# EAGLE board Mk4 Final Panel (EAGLE 9.0.1), part 3 of 18
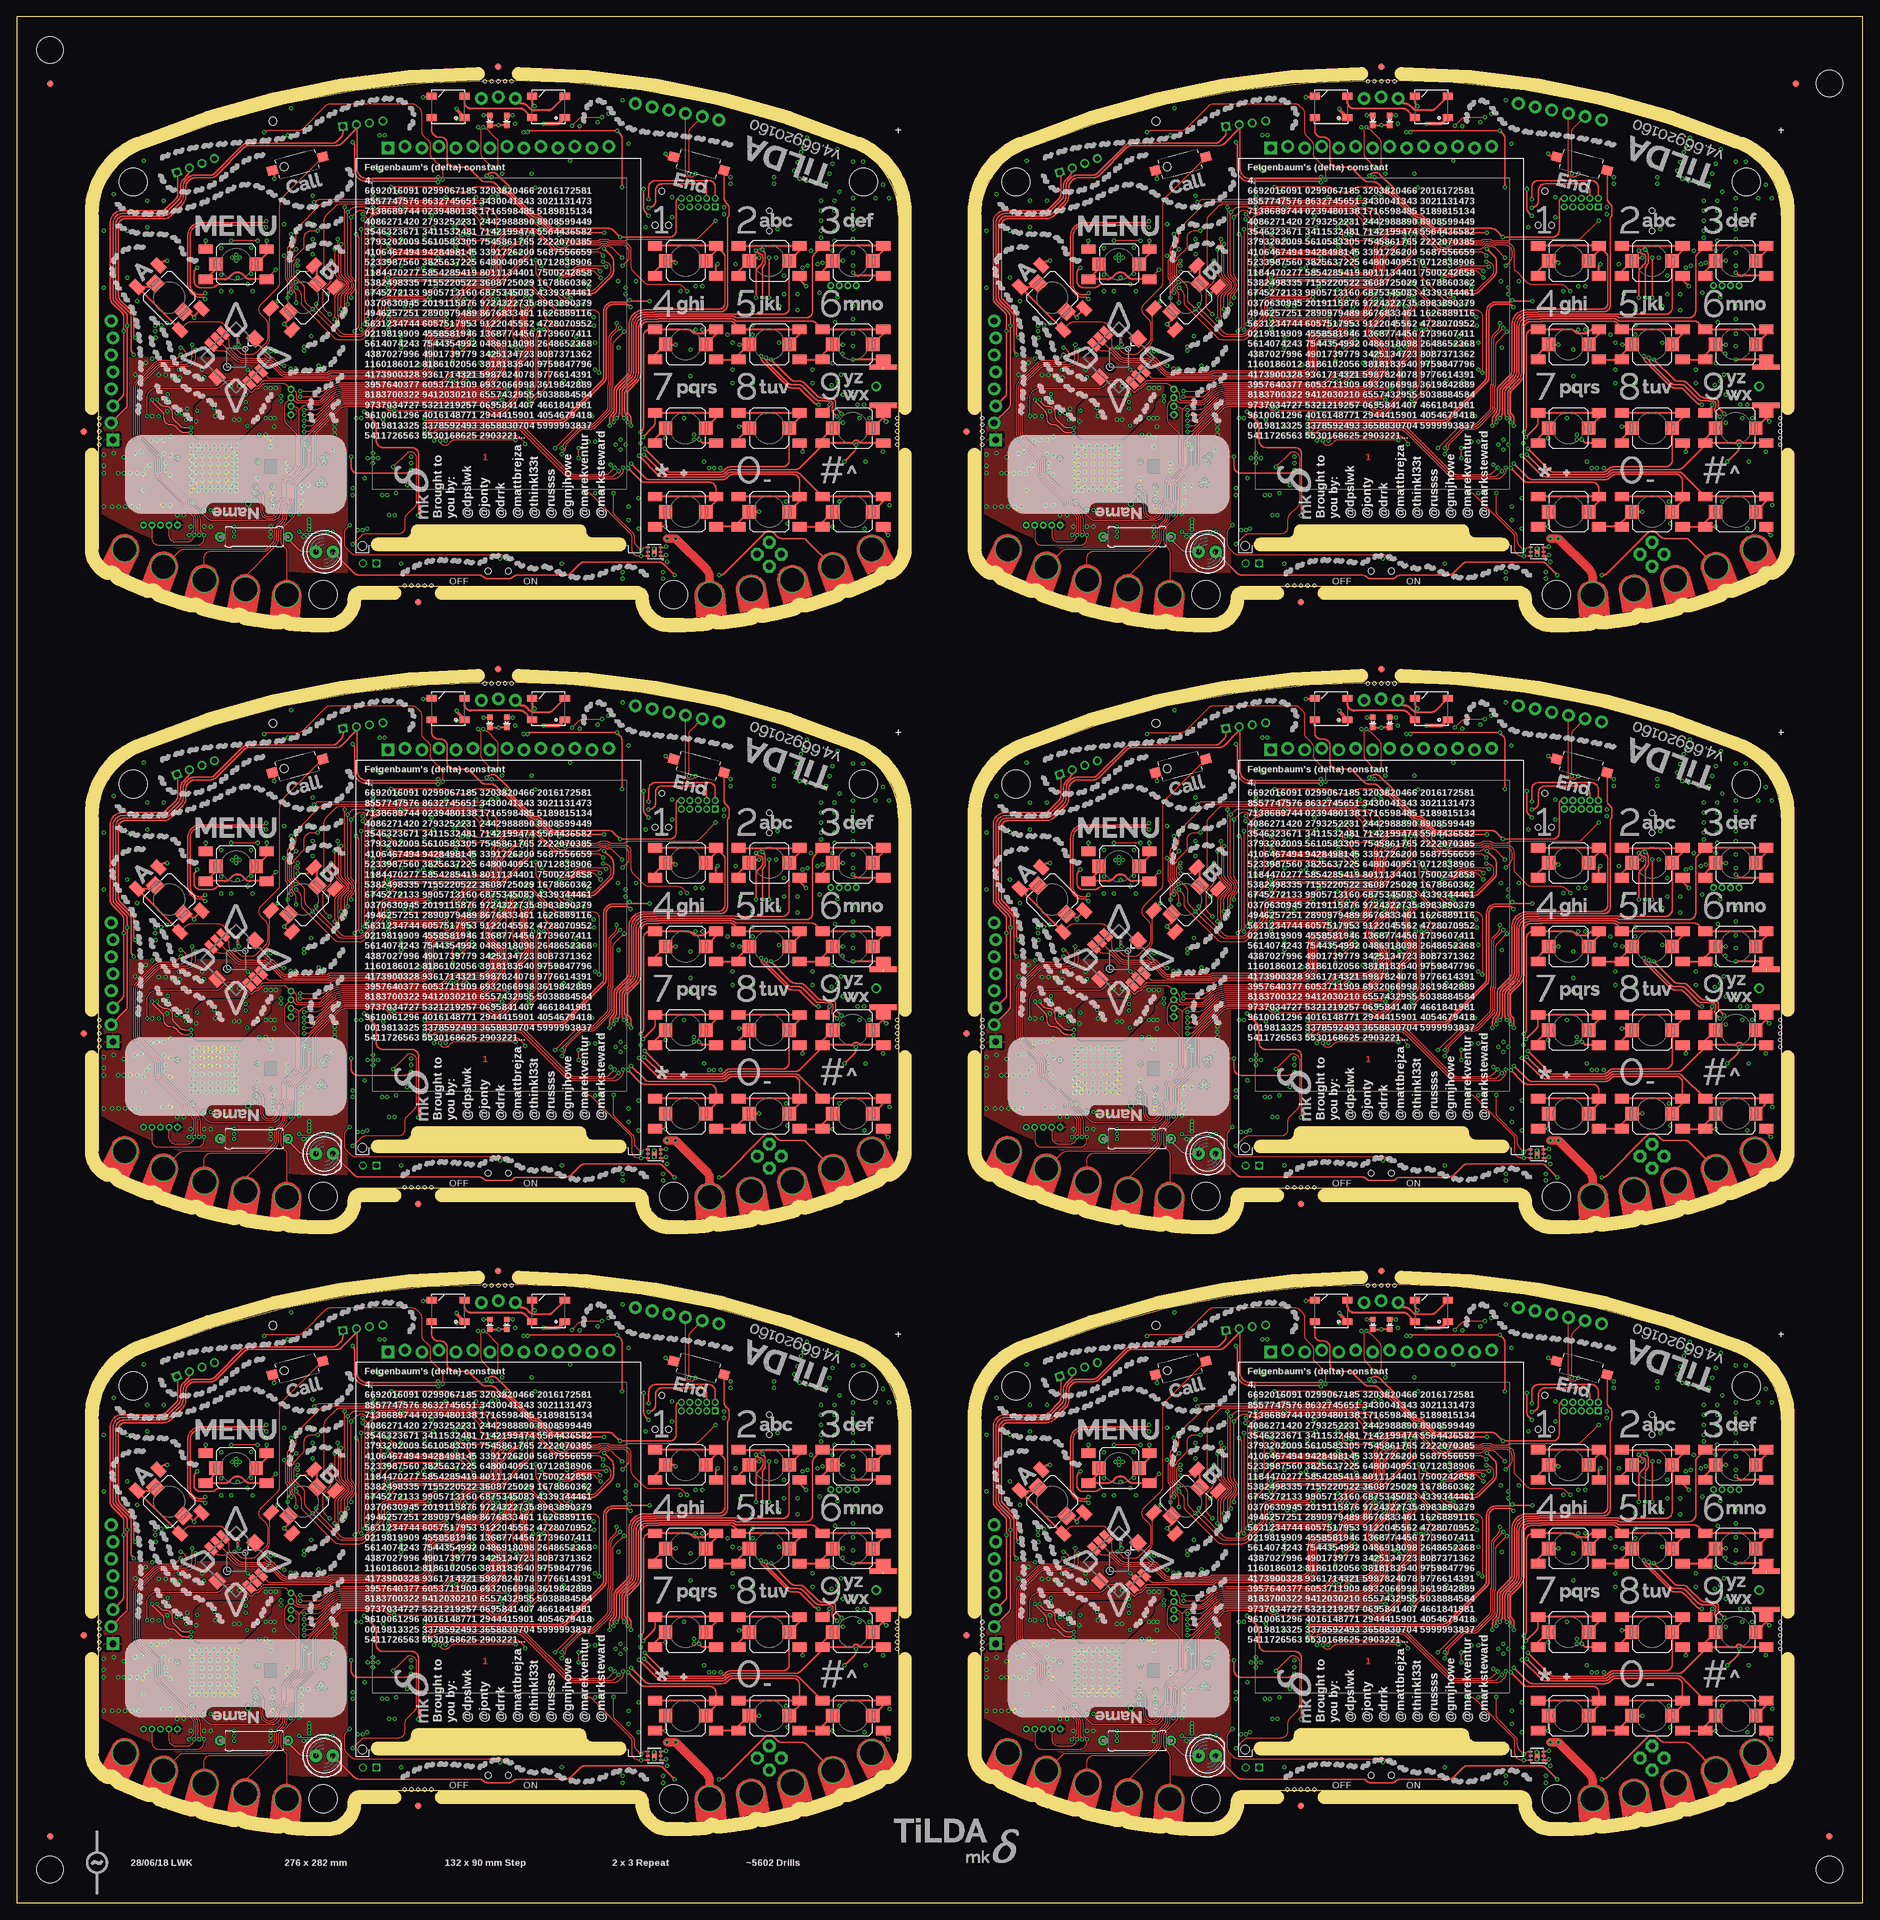
[diagram p0: board, top side]
## Placement (x,y rotation side) (continued)
R319  0402/1K/5%  [R0402-SMALLER]  56.5,259.5 270 bottom
R320  0402/1K/5%  [R0402-SMALLER]  57.5,259.5 270 bottom
R321  0402/4K87/5%  [R0402-SMALLER]  62.25,249.25 0 bottom
R322  0402/10K/5%  [R0402-SMALLER]  70.5,257.25 180 bottom
R323  0402/1M/5%  [R0402-SMALLER]  62.75,251.75 90 bottom
R324  0402/2K/5%  [R0402-SMALLER]  75.75,254.95 90 bottom
R325  0402/1M/5%  [R0402-SMALLER]  89.75,270 270 bottom
R326  0402/100R/5%  [R0402-SMALLER]  90.25,266.5 180 bottom
R327  0402/10K/5%  [R0402-SMALLER]  79.5,236.25 270 bottom
R328  0402/10K/5%  [R0402-SMALLER]  90,233.75 90 bottom
R329  [0309/10]  35.5,204.25 180 top
R330  0402/10K/5%  [R0402-SMALLER]  49.75,207.25 90 bottom
R331  0402/10K/5%  [R0402-SMALLER]  57.75,215.25 0 bottom
R332  0402/10K/5%  [R0402-SMALLER]  57.75,214.25 180 bottom
R333  0402/2K/5%  [R0402-SMALLER]  57.75,216.25 180 bottom
R334  0402/10K/5%  [R0402-SMALLER]  53.25,222.5 180 bottom
R335  0402/10K/5%  [R0402-SMALLER]  53.25,221.5 180 bottom
R336  0402/10K/5%  [R0402-SMALLER]  53.75,220 90 bottom
R337  0402/4K7/5%  [R0402-SMALLER]  58.05,240.25 90 bottom
R338  0402/4K7/5%  [R0402-SMALLER]  59.05,240.25 90 bottom
R339  0402/4K7/5%  [R0402-SMALLER]  84.25,241 180 bottom
R340  0402/4K7/5%  [R0402-SMALLER]  84.25,239.75 180 bottom
R341  0402/100K/5%  [R0402-SMALLER]  37,208.75 180 bottom
R342  0402/51R/5%  [R0402-SMALLER]  109.5,244.5 90 bottom
R343  0402/51R/5%  [R0402-SMALLER]  111.5,244.5 90 bottom
R344  0402/51R/5%  [R0402-SMALLER]  112.5,244.5 90 bottom
R345  0402/4K7/5%  [R0402-SMALLER]  118.5,222.75 180 bottom
R346  0402/100K/5%  [R0402-SMALLER]  100.5,221.5 90 bottom
R347  0402/1K/5%  [R0402-SMALLER]  102,233.25 180 bottom
R348  0402/5K6/5%  [R0402-SMALLER]  102,226.25 0 bottom
R349  0402/1K/5%  [R0402-SMALLER]  102,234.25 180 bottom
R350  0402/1K/5%  [R0402-SMALLER]  102,231.25 180 bottom
R351  0402/1K/5%  [R0402-SMALLER]  102,230.25 180 bottom
R352  0402/1K/5%  [R0402-SMALLER]  102,229.25 180 bottom
R353  0402/1K/5%  [R0402-SMALLER]  102,225.25 180 bottom
R354  0402/1K/5%  [R0402-SMALLER]  102,227.25 180 bottom
R355  0402/5K6/5%  [R0402-SMALLER]  102,228.25 0 bottom
R356  0402/5K6/5%  [R0402-SMALLER]  102,232.25 0 bottom
R357  0402/1K/5%  [R0402-SMALLER]  102,224.25 180 bottom
R358  0402/1K/5%  [R0402-SMALLER]  102,223.25 180 bottom
R359  0402/10K/5%  [R0402-SMALLER]  92.75,239 90 bottom
R360  0402/10K/5%  [R0402-SMALLER]  93.75,239 90 bottom
R361  0402/10K/5%  [R0402-SMALLER]  94.25,241.5 180 bottom
R362  0402/22K/5%  [R0402-SMALLER]  92.25,241.5 0 bottom
R363  0402/22K/5%  [R0402-SMALLER]  92.25,240.5 0 bottom
R364  0402/14K7/5%  [R0402-SMALLER]  92.5,250.75 180 bottom
R365  0402/7K87/5%  [R0402-SMALLER]  90.5,250.75 0 bottom
R366  0402/10K/5%  [R0402-SMALLER]  97.5,246.5 270 bottom
R367  0402/10K/5%  [R0402-SMALLER]  99.75,241.75 180 bottom
R368  0402/10K/5%  [R0402-SMALLER]  106.25,251.5 180 bottom
R369  0402/150K/1%  [R0402-SMALLER]  33.95,251.45 0 bottom
R370  0402/150K/1%  [R0402-SMALLER]  33.95,250.45 0 bottom
R371  0402/10K/5%  [R0402-SMALLER]  116,205.75 90 bottom
R372  0402/732K/5%  [R0402-SMALLER]  40.95,206.35 270 bottom
R373  0402/162K/5%  [R0402-SMALLER]  41.95,206.35 90 bottom
R374  0402/10K/5%  [R0402-SMALLER]  24,208.75 270 bottom
R375  0402/100K/5%  [R0402-SMALLER]  21.25,227.2 90 bottom
R376  0402/100K/5%  [R0402-SMALLER]  22.25,227.2 90 bottom
R377  0402/100K/5%  [R0402-SMALLER]  25,208.75 270 bottom
R378  0402/10K/5%  [R0402-SMALLER]  20.5,232.25 90 bottom
R379  0402/100K/5%  [R0402-SMALLER]  23,229.25 180 bottom
R380  0402/100K/5%  [R0402-SMALLER]  37,211.75 180 bottom
R381  0402/100K/5%  [R0402-SMALLER]  37,209.75 180 bottom
R382  0402/100K/5%  [R0402-SMALLER]  38.75,218.5 90 bottom
R383  0402/100K/5%  [R0402-SMALLER]  30.5,208.25 270 bottom
R384  0402/100K/5%  [R0402-SMALLER]  26,207 270 bottom
R385  0402/100K/5%  [R0402-SMALLER]  21.25,221 90 bottom
R386  0402/10K/5%  [R0402-SMALLER]  86,219.75 90 bottom
R387  0402/150K/1%  [R0402-SMALLER]  33.95,252.4 0 bottom
R388  0402/150K/1%  [R0402-SMALLER]  34,249.5 0 bottom
R389  0402/10K/5%  [R0402-SMALLER]  30.75,248.5 0 bottom
R390  0402/0R/5%  [R0402-SMALLER]  33,253.5 180 bottom
R391  0402/12R/5%  [R0402-SMALLER]  216.5,231 270 bottom
R392  0402/12R/5%  [R0402-SMALLER]  215.5,231 270 bottom
R393  0402/12R/5%  [R0402-SMALLER]  214.5,231 270 bottom
R394  0402/12R/5%  [R0402-SMALLER]  213.5,231 270 bottom
R395  0402/2K/5%  [R0402-SMALLER]  205.27,266.5 270 bottom
R396  0402/4K7/5%  [R0402-SMALLER]  202.73,266.5 270 bottom
R397  0402/1K/5%  [R0402-SMALLER]  188.5,259.5 270 bottom
R398  0402/1K/5%  [R0402-SMALLER]  189.5,259.5 270 bottom
R399  0402/4K87/5%  [R0402-SMALLER]  194.25,249.25 0 bottom
R400  0402/10K/5%  [R0402-SMALLER]  202.5,257.25 180 bottom
R401  0402/1M/5%  [R0402-SMALLER]  194.75,251.75 90 bottom
R402  0402/2K/5%  [R0402-SMALLER]  207.75,254.95 90 bottom
R403  0402/1M/5%  [R0402-SMALLER]  221.75,270 270 bottom
R404  0402/100R/5%  [R0402-SMALLER]  222.25,266.5 180 bottom
R405  0402/10K/5%  [R0402-SMALLER]  211.5,236.25 270 bottom
R406  0402/10K/5%  [R0402-SMALLER]  222,233.75 90 bottom
R407  [0309/10]  167.5,204.25 180 top
R408  0402/10K/5%  [R0402-SMALLER]  181.75,207.25 90 bottom
R409  0402/10K/5%  [R0402-SMALLER]  189.75,215.25 0 bottom
R410  0402/10K/5%  [R0402-SMALLER]  189.75,214.25 180 bottom
R411  0402/2K/5%  [R0402-SMALLER]  189.75,216.25 180 bottom
R412  0402/10K/5%  [R0402-SMALLER]  185.25,222.5 180 bottom
R413  0402/10K/5%  [R0402-SMALLER]  185.25,221.5 180 bottom
R414  0402/10K/5%  [R0402-SMALLER]  185.75,220 90 bottom
R415  0402/4K7/5%  [R0402-SMALLER]  190.05,240.25 90 bottom
R416  0402/4K7/5%  [R0402-SMALLER]  191.05,240.25 90 bottom
R417  0402/4K7/5%  [R0402-SMALLER]  216.25,241 180 bottom
R418  0402/4K7/5%  [R0402-SMALLER]  216.25,239.75 180 bottom
R419  0402/100K/5%  [R0402-SMALLER]  169,208.75 180 bottom
R420  0402/51R/5%  [R0402-SMALLER]  241.5,244.5 90 bottom
R421  0402/51R/5%  [R0402-SMALLER]  243.5,244.5 90 bottom
R422  0402/51R/5%  [R0402-SMALLER]  244.5,244.5 90 bottom
R423  0402/4K7/5%  [R0402-SMALLER]  250.5,222.75 180 bottom
R424  0402/100K/5%  [R0402-SMALLER]  232.5,221.5 90 bottom
R425  0402/1K/5%  [R0402-SMALLER]  234,233.25 180 bottom
R426  0402/5K6/5%  [R0402-SMALLER]  234,226.25 0 bottom
R427  0402/1K/5%  [R0402-SMALLER]  234,234.25 180 bottom
R428  0402/1K/5%  [R0402-SMALLER]  234,231.25 180 bottom
R429  0402/1K/5%  [R0402-SMALLER]  234,230.25 180 bottom
R430  0402/1K/5%  [R0402-SMALLER]  234,229.25 180 bottom
R431  0402/1K/5%  [R0402-SMALLER]  234,225.25 180 bottom
R432  0402/1K/5%  [R0402-SMALLER]  234,227.25 180 bottom
R433  0402/5K6/5%  [R0402-SMALLER]  234,228.25 0 bottom
R434  0402/5K6/5%  [R0402-SMALLER]  234,232.25 0 bottom
R435  0402/1K/5%  [R0402-SMALLER]  234,224.25 180 bottom
R436  0402/1K/5%  [R0402-SMALLER]  234,223.25 180 bottom
R437  0402/10K/5%  [R0402-SMALLER]  224.75,239 90 bottom
R438  0402/10K/5%  [R0402-SMALLER]  225.75,239 90 bottom
R439  0402/10K/5%  [R0402-SMALLER]  226.25,241.5 180 bottom
R440  0402/22K/5%  [R0402-SMALLER]  224.25,241.5 0 bottom
R441  0402/22K/5%  [R0402-SMALLER]  224.25,240.5 0 bottom
R442  0402/14K7/5%  [R0402-SMALLER]  224.5,250.75 180 bottom
R443  0402/7K87/5%  [R0402-SMALLER]  222.5,250.75 0 bottom
R444  0402/10K/5%  [R0402-SMALLER]  229.5,246.5 270 bottom
R445  0402/10K/5%  [R0402-SMALLER]  231.75,241.75 180 bottom
R446  0402/10K/5%  [R0402-SMALLER]  238.25,251.5 180 bottom
R447  0402/150K/1%  [R0402-SMALLER]  165.95,251.45 0 bottom
R448  0402/150K/1%  [R0402-SMALLER]  165.95,250.45 0 bottom
R449  0402/10K/5%  [R0402-SMALLER]  248,205.75 90 bottom
R450  0402/732K/5%  [R0402-SMALLER]  172.95,206.35 270 bottom
R451  0402/162K/5%  [R0402-SMALLER]  173.95,206.35 90 bottom
R452  0402/10K/5%  [R0402-SMALLER]  156,208.75 270 bottom
R453  0402/100K/5%  [R0402-SMALLER]  153.25,227.2 90 bottom
R454  0402/100K/5%  [R0402-SMALLER]  154.25,227.2 90 bottom
R455  0402/100K/5%  [R0402-SMALLER]  157,208.75 270 bottom
R456  0402/10K/5%  [R0402-SMALLER]  152.5,232.25 90 bottom
R457  0402/100K/5%  [R0402-SMALLER]  155,229.25 180 bottom
R458  0402/100K/5%  [R0402-SMALLER]  169,211.75 180 bottom
R459  0402/100K/5%  [R0402-SMALLER]  169,209.75 180 bottom
R460  0402/100K/5%  [R0402-SMALLER]  170.75,218.5 90 bottom
R461  0402/100K/5%  [R0402-SMALLER]  162.5,208.25 270 bottom
R462  0402/100K/5%  [R0402-SMALLER]  158,207 270 bottom
R463  0402/100K/5%  [R0402-SMALLER]  153.25,221 90 bottom
R464  0402/10K/5%  [R0402-SMALLER]  218,219.75 90 bottom
R465  0402/150K/1%  [R0402-SMALLER]  165.95,252.4 0 bottom
R466  0402/150K/1%  [R0402-SMALLER]  166,249.5 0 bottom
R467  0402/10K/5%  [R0402-SMALLER]  162.75,248.5 0 bottom
R468  0402/0R/5%  [R0402-SMALLER]  165,253.5 180 bottom
S1  SKPMAPE010  [SKPMAPE010-COMBINED]  100,65.5 0 top
S2  SKPMAPE010  [SKPMAPE010-COMBINED]  112.5,65.5 0 top
S3  SKPMAPE010  [SKPMAPE010-COMBINED]  125,65.5 0 top
S4  SKPMAPE010  [SKPMAPE010-COMBINED]  100,53 0 top
S5  SKPMAPE010  [SKPMAPE010-COMBINED]  112.5,53 0 top
S6  SKPMAPE010  [SKPMAPE010-COMBINED]  125,53 0 top
S7  SKPMAPE010  [SKPMAPE010-COMBINED]  100,40.5 0 top
S8  SKPMAPE010  [SKPMAPE010-COMBINED]  112.5,40.5 0 top
S9  SKPMAPE010  [SKPMAPE010-COMBINED]  125,40.5 180 top
S10  SKPMAPE010  [SKPMAPE010-COMBINED]  100,28 0 top
S11  SKPMAPE010  [SKPMAPE010-COMBINED]  112.5,28 0 top
S12  SKPMAPE010  [SKPMAPE010-COMBINED]  125,28 0 top
S13  SKPMAPE010  [SKPMAPE010-COMBINED]  22.8,60 135 top
S14  SKPMAPE010  [SKPMAPE010-COMBINED]  32.8,65 180 top
S15  SKPMAPE010  [SKPMAPE010-COMBINED]  42.8,60 45 top
S16  3X6X2.5  [TACTILE_SWITCH_SMD_3X6X2.5H]  42,80 15 top
S17  3X6X2.5  [TACTILE_SWITCH_SMD_3X6X2.5H]  102,80 345 top
S18  CUS-12TB  [SWITCH-SPST-SMD-A]  72,19.1 180 bottom
S19  3X6X2.5  [TACTILE_SWITCH_SMD_3X6X2.5H]  84,20.25 180 bottom
S20  3X6X2.5  [TACTILE_SWITCH_SMD_3X6X2.5H]  60,20.25 180 bottom
S21  SKPMAPE010  [SKPMAPE010-COMBINED]  232,65.5 0 top
S22  AYZ0202AGRLC  [AYZ-JS-COMBINED]  112.5,71.5 90 bottom
S23  SKPMAPE010  [SKPMAPE010-COMBINED]  232,53 0 top
S24  SKPMAPE010  [SKPMAPE010-COMBINED]  232,40.5 0 top
S25  SKPMAPE010  [SKPMAPE010-COMBINED]  232,28 0 top
S26  SKPMAPE010  [SKPMAPE010-COMBINED]  244.5,65.5 0 top
S27  SKPMAPE010  [SKPMAPE010-COMBINED]  244.5,53 0 top
S28  SKPMAPE010  [SKPMAPE010-COMBINED]  244.5,40.5 0 top
S29  SKPMAPE010  [SKPMAPE010-COMBINED]  244.5,28 0 top
S30  SKPMAPE010  [SKPMAPE010-COMBINED]  257,65.5 0 top
S31  SKPMAPE010  [SKPMAPE010-COMBINED]  257,53 0 top
S32  SKPMAPE010  [SKPMAPE010-COMBINED]  257,40.5 180 top
S33  SKPMAPE010  [SKPMAPE010-COMBINED]  257,28 0 top
S34  SKPMAPE010  [SKPMAPE010-COMBINED]  174.8,60 45 top
S35  SKPMAPE010  [SKPMAPE010-COMBINED]  154.8,60 135 top
S36  SKPMAPE010  [SKPMAPE010-COMBINED]  164.8,65 180 top
S37  3X6X2.5  [TACTILE_SWITCH_SMD_3X6X2.5H]  174,80 15 top
S38  3X6X2.5  [TACTILE_SWITCH_SMD_3X6X2.5H]  234,80 345 top
S39  CUS-12TB  [SWITCH-SPST-SMD-A]  204,19.1 180 bottom
S40  3X6X2.5  [TACTILE_SWITCH_SMD_3X6X2.5H]  216,20.25 180 bottom
S41  3X6X2.5  [TACTILE_SWITCH_SMD_3X6X2.5H]  192,20.25 180 bottom
S42  AYZ0202AGRLC  [AYZ-JS-COMBINED]  244.5,71.5 90 bottom
S43  SKPMAPE010  [SKPMAPE010-COMBINED]  100,155.5 0 top
S44  SKPMAPE010  [SKPMAPE010-COMBINED]  100,143 0 top
S45  SKPMAPE010  [SKPMAPE010-COMBINED]  100,130.5 0 top
S46  SKPMAPE010  [SKPMAPE010-COMBINED]  100,118 0 top
S47  SKPMAPE010  [SKPMAPE010-COMBINED]  112.5,155.5 0 top
S48  SKPMAPE010  [SKPMAPE010-COMBINED]  112.5,143 0 top
S49  SKPMAPE010  [SKPMAPE010-COMBINED]  112.5,130.5 0 top
S50  SKPMAPE010  [SKPMAPE010-COMBINED]  112.5,118 0 top
S51  SKPMAPE010  [SKPMAPE010-COMBINED]  125,155.5 0 top
S52  SKPMAPE010  [SKPMAPE010-COMBINED]  125,143 0 top
S53  SKPMAPE010  [SKPMAPE010-COMBINED]  125,130.5 180 top
S54  SKPMAPE010  [SKPMAPE010-COMBINED]  125,118 0 top
S55  SKPMAPE010  [SKPMAPE010-COMBINED]  42.8,150 45 top
S56  SKPMAPE010  [SKPMAPE010-COMBINED]  22.8,150 135 top
S57  SKPMAPE010  [SKPMAPE010-COMBINED]  32.8,155 180 top
S58  3X6X2.5  [TACTILE_SWITCH_SMD_3X6X2.5H]  42,170 15 top
S59  3X6X2.5  [TACTILE_SWITCH_SMD_3X6X2.5H]  102,170 345 top
S60  CUS-12TB  [SWITCH-SPST-SMD-A]  72,109.1 180 bottom
S61  3X6X2.5  [TACTILE_SWITCH_SMD_3X6X2.5H]  84,110.25 180 bottom
S62  3X6X2.5  [TACTILE_SWITCH_SMD_3X6X2.5H]  60,110.25 180 bottom
S63  AYZ0202AGRLC  [AYZ-JS-COMBINED]  112.5,161.5 90 bottom
S64  SKPMAPE010  [SKPMAPE010-COMBINED]  232,155.5 0 top
S65  SKPMAPE010  [SKPMAPE010-COMBINED]  232,143 0 top
S66  SKPMAPE010  [SKPMAPE010-COMBINED]  232,130.5 0 top
S67  SKPMAPE010  [SKPMAPE010-COMBINED]  232,118 0 top
S68  SKPMAPE010  [SKPMAPE010-COMBINED]  244.5,155.5 0 top
S69  SKPMAPE010  [SKPMAPE010-COMBINED]  244.5,143 0 top
S70  SKPMAPE010  [SKPMAPE010-COMBINED]  244.5,130.5 0 top
S71  SKPMAPE010  [SKPMAPE010-COMBINED]  244.5,118 0 top
S72  SKPMAPE010  [SKPMAPE010-COMBINED]  257,155.5 0 top
S73  SKPMAPE010  [SKPMAPE010-COMBINED]  257,143 0 top
S74  SKPMAPE010  [SKPMAPE010-COMBINED]  257,130.5 180 top
S75  SKPMAPE010  [SKPMAPE010-COMBINED]  257,118 0 top
S76  SKPMAPE010  [SKPMAPE010-COMBINED]  174.8,150 45 top
S77  SKPMAPE010  [SKPMAPE010-COMBINED]  154.8,150 135 top
S78  SKPMAPE010  [SKPMAPE010-COMBINED]  164.8,155 180 top
S79  3X6X2.5  [TACTILE_SWITCH_SMD_3X6X2.5H]  174,170 15 top
S80  3X6X2.5  [TACTILE_SWITCH_SMD_3X6X2.5H]  234,170 345 top
S81  CUS-12TB  [SWITCH-SPST-SMD-A]  204,109.1 180 bottom
S82  3X6X2.5  [TACTILE_SWITCH_SMD_3X6X2.5H]  216,110.25 180 bottom
S83  3X6X2.5  [TACTILE_SWITCH_SMD_3X6X2.5H]  192,110.25 180 bottom
S84  AYZ0202AGRLC  [AYZ-JS-COMBINED]  244.5,161.5 90 bottom
S85  SKPMAPE010  [SKPMAPE010-COMBINED]  100,245.5 0 top
S86  SKPMAPE010  [SKPMAPE010-COMBINED]  100,233 0 top
S87  SKPMAPE010  [SKPMAPE010-COMBINED]  100,220.5 0 top
S88  SKPMAPE010  [SKPMAPE010-COMBINED]  100,208 0 top
S89  SKPMAPE010  [SKPMAPE010-COMBINED]  112.5,245.5 0 top
S90  SKPMAPE010  [SKPMAPE010-COMBINED]  112.5,233 0 top
S91  SKPMAPE010  [SKPMAPE010-COMBINED]  112.5,220.5 0 top
S92  SKPMAPE010  [SKPMAPE010-COMBINED]  112.5,208 0 top
S93  SKPMAPE010  [SKPMAPE010-COMBINED]  125,245.5 0 top
S94  SKPMAPE010  [SKPMAPE010-COMBINED]  125,233 0 top
S95  SKPMAPE010  [SKPMAPE010-COMBINED]  125,220.5 180 top
S96  SKPMAPE010  [SKPMAPE010-COMBINED]  125,208 0 top
S97  SKPMAPE010  [SKPMAPE010-COMBINED]  42.8,240 45 top
S98  SKPMAPE010  [SKPMAPE010-COMBINED]  22.8,240 135 top
S99  SKPMAPE010  [SKPMAPE010-COMBINED]  32.8,245 180 top
S100  3X6X2.5  [TACTILE_SWITCH_SMD_3X6X2.5H]  42,260 15 top
S101  3X6X2.5  [TACTILE_SWITCH_SMD_3X6X2.5H]  102,260 345 top
S102  CUS-12TB  [SWITCH-SPST-SMD-A]  72,199.1 180 bottom
S103  3X6X2.5  [TACTILE_SWITCH_SMD_3X6X2.5H]  84,200.25 180 bottom
S104  3X6X2.5  [TACTILE_SWITCH_SMD_3X6X2.5H]  60,200.25 180 bottom
S105  AYZ0202AGRLC  [AYZ-JS-COMBINED]  112.5,251.5 90 bottom
S106  SKPMAPE010  [SKPMAPE010-COMBINED]  232,245.5 0 top
S107  SKPMAPE010  [SKPMAPE010-COMBINED]  232,233 0 top
S108  SKPMAPE010  [SKPMAPE010-COMBINED]  232,220.5 0 top
S109  SKPMAPE010  [SKPMAPE010-COMBINED]  232,208 0 top
S110  SKPMAPE010  [SKPMAPE010-COMBINED]  244.5,245.5 0 top
S111  SKPMAPE010  [SKPMAPE010-COMBINED]  244.5,233 0 top
S112  SKPMAPE010  [SKPMAPE010-COMBINED]  244.5,220.5 0 top
S113  SKPMAPE010  [SKPMAPE010-COMBINED]  244.5,208 0 top
S114  SKPMAPE010  [SKPMAPE010-COMBINED]  257,245.5 0 top
S115  SKPMAPE010  [SKPMAPE010-COMBINED]  257,233 0 top
S116  SKPMAPE010  [SKPMAPE010-COMBINED]  257,220.5 180 top
S117  SKPMAPE010  [SKPMAPE010-COMBINED]  257,208 0 top
S118  SKPMAPE010  [SKPMAPE010-COMBINED]  174.8,240 45 top
S119  SKPMAPE010  [SKPMAPE010-COMBINED]  154.8,240 135 top
S120  SKPMAPE010  [SKPMAPE010-COMBINED]  164.8,245 180 top
S121  3X6X2.5  [TACTILE_SWITCH_SMD_3X6X2.5H]  174,260 15 top
S122  3X6X2.5  [TACTILE_SWITCH_SMD_3X6X2.5H]  234,260 345 top
S123  CUS-12TB  [SWITCH-SPST-SMD-A]  204,199.1 180 bottom
S124  3X6X2.5  [TACTILE_SWITCH_SMD_3X6X2.5H]  216,200.25 180 bottom
S125  3X6X2.5  [TACTILE_SWITCH_SMD_3X6X2.5H]  192,200.25 180 bottom
S126  AYZ0202AGRLC  [AYZ-JS-COMBINED]  244.5,251.5 90 bottom
SW1  JOYSTICK  [JOYSTICK_MULTICOMP_NOSILK]  32.8,51 315 top
SW2  JOYSTICK  [JOYSTICK_MULTICOMP_NOSILK]  164.8,51 315 top
SW3  JOYSTICK  [JOYSTICK_MULTICOMP_NOSILK]  32.8,141 315 top
SW4  JOYSTICK  [JOYSTICK_MULTICOMP_NOSILK]  164.8,141 315 top
SW5  JOYSTICK  [JOYSTICK_MULTICOMP_NOSILK]  32.8,231 315 top
SW6  JOYSTICK  [JOYSTICK_MULTICOMP_NOSILK]  164.8,231 315 top
TP1  TP  [B1,27]  64.4,72.7 0 bottom
TP2  TP  [B1,27]  100,53.5 0 bottom
TP3  TP  [B1,27]  99.5,51.75 0 bottom
TP4  TP  [B1,27]  98.25,50.5 0 bottom
TP5  TP  [B1,27]  99.75,49.25 0 bottom
TP6  TP  [B1,27]  90,88 270 bottom
TP7  TP  [B1,27]  75.75,86 0 bottom
TP8  TP  [B1,27]  99.75,47.25 0 bottom
TP9  TP  [B1,27]  99.75,45.25 0 bottom
TP10  TP  [B1,27]  100,55.25 0 bottom
TP11  TP  [B1,27]  98,44.5 0 bottom
TP12  TP  [B1,27]  98.5,42.75 0 bottom
TP13  TP  [B1,27]  98.5,41 0 bottom
TP14  TP  [B1,27]  56,29 0 bottom
TP15  TP  [B1,27]  54,25.5 0 bottom
TP16  TP  [B1,27]  45.5,34 0 bottom
TP17  TP  [B1,27]  43.75,34 0 bottom
TP18  TP  [B1,27]  58,27.5 0 bottom
TP19  TP  [P1-06-OCT-CAN]  34.6,29.2 0 bottom
TP20  TP  [B1,27]  196.4,72.7 0 bottom
TP21  TP  [B1,27]  232,53.5 0 bottom
TP22  TP  [B1,27]  231.5,51.75 0 bottom
TP23  TP  [B1,27]  230.25,50.5 0 bottom
TP24  TP  [B1,27]  231.75,49.25 0 bottom
TP25  TP  [B1,27]  222,88 270 bottom
TP26  TP  [B1,27]  207.75,86 0 bottom
TP27  TP  [B1,27]  231.75,47.25 0 bottom
TP28  TP  [B1,27]  231.75,45.25 0 bottom
TP29  TP  [B1,27]  232,55.25 0 bottom
TP30  TP  [B1,27]  230,44.5 0 bottom
TP31  TP  [B1,27]  230.5,42.75 0 bottom
TP32  TP  [B1,27]  230.5,41 0 bottom
TP33  TP  [B1,27]  188,29 0 bottom
TP34  TP  [B1,27]  186,25.5 0 bottom
TP35  TP  [B1,27]  177.5,34 0 bottom
TP36  TP  [B1,27]  175.75,34 0 bottom
TP37  TP  [B1,27]  190,27.5 0 bottom
TP38  TP  [P1-06-OCT-CAN]  166.6,29.2 0 bottom
TP39  TP  [B1,27]  64.4,162.7 0 bottom
TP40  TP  [B1,27]  100,143.5 0 bottom
TP41  TP  [B1,27]  99.5,141.75 0 bottom
TP42  TP  [B1,27]  98.25,140.5 0 bottom
TP43  TP  [B1,27]  99.75,139.25 0 bottom
TP44  TP  [B1,27]  90,178 270 bottom
TP45  TP  [B1,27]  75.75,176 0 bottom
TP46  TP  [B1,27]  99.75,137.25 0 bottom
TP47  TP  [B1,27]  99.75,135.25 0 bottom
TP48  TP  [B1,27]  100,145.25 0 bottom
TP49  TP  [B1,27]  98,134.5 0 bottom
TP50  TP  [B1,27]  98.5,132.75 0 bottom
TP51  TP  [B1,27]  98.5,131 0 bottom
TP52  TP  [B1,27]  56,119 0 bottom
TP53  TP  [B1,27]  54,115.5 0 bottom
TP54  TP  [B1,27]  45.5,124 0 bottom
TP55  TP  [B1,27]  43.75,124 0 bottom
TP56  TP  [B1,27]  58,117.5 0 bottom
TP57  TP  [P1-06-OCT-CAN]  34.6,119.2 0 bottom
TP58  TP  [B1,27]  196.4,162.7 0 bottom
TP59  TP  [B1,27]  232,143.5 0 bottom
TP60  TP  [B1,27]  231.5,141.75 0 bottom
TP61  TP  [B1,27]  230.25,140.5 0 bottom
TP62  TP  [B1,27]  231.75,139.25 0 bottom
TP63  TP  [B1,27]  222,178 270 bottom
TP64  TP  [B1,27]  207.75,176 0 bottom
TP65  TP  [B1,27]  231.75,137.25 0 bottom
TP66  TP  [B1,27]  231.75,135.25 0 bottom
TP67  TP  [B1,27]  232,145.25 0 bottom
TP68  TP  [B1,27]  230,134.5 0 bottom
TP69  TP  [B1,27]  230.5,132.75 0 bottom
TP70  TP  [B1,27]  230.5,131 0 bottom
TP71  TP  [B1,27]  188,119 0 bottom
TP72  TP  [B1,27]  186,115.5 0 bottom
TP73  TP  [B1,27]  177.5,124 0 bottom
TP74  TP  [B1,27]  175.75,124 0 bottom
TP75  TP  [B1,27]  190,117.5 0 bottom
TP76  TP  [P1-06-OCT-CAN]  166.6,119.2 0 bottom
TP77  TP  [B1,27]  64.4,252.7 0 bottom
TP78  TP  [B1,27]  100,233.5 0 bottom
TP79  TP  [B1,27]  99.5,231.75 0 bottom
TP80  TP  [B1,27]  98.25,230.5 0 bottom
TP81  TP  [B1,27]  99.75,229.25 0 bottom
TP82  TP  [B1,27]  90,268 270 bottom
TP83  TP  [B1,27]  75.75,266 0 bottom
TP84  TP  [B1,27]  99.75,227.25 0 bottom
TP85  TP  [B1,27]  99.75,225.25 0 bottom
TP86  TP  [B1,27]  100,235.25 0 bottom
TP87  TP  [B1,27]  98,224.5 0 bottom
TP88  TP  [B1,27]  98.5,222.75 0 bottom
TP89  TP  [B1,27]  98.5,221 0 bottom
TP90  TP  [B1,27]  56,209 0 bottom
TP91  TP  [B1,27]  54,205.5 0 bottom
TP92  TP  [B1,27]  45.5,214 0 bottom
TP93  TP  [B1,27]  43.75,214 0 bottom
TP94  TP  [B1,27]  58,207.5 0 bottom
TP95  TP  [P1-06-OCT-CAN]  34.6,209.2 0 bottom
TP96  TP  [B1,27]  196.4,252.7 0 bottom
TP97  TP  [B1,27]  232,233.5 0 bottom
TP98  TP  [B1,27]  231.5,231.75 0 bottom
TP99  TP  [B1,27]  230.25,230.5 0 bottom
TP100  TP  [B1,27]  231.75,229.25 0 bottom
TP101  TP  [B1,27]  222,268 270 bottom
TP102  TP  [B1,27]  207.75,266 0 bottom
TP103  TP  [B1,27]  231.75,227.25 0 bottom
TP104  TP  [B1,27]  231.75,225.25 0 bottom
TP105  TP  [B1,27]  232,235.25 0 bottom
TP106  TP  [B1,27]  230,224.5 0 bottom
TP107  TP  [B1,27]  230.5,222.75 0 bottom
TP108  TP  [B1,27]  230.5,221 0 bottom
TP109  TP  [B1,27]  188,209 0 bottom
TP110  TP  [B1,27]  186,205.5 0 bottom
TP111  TP  [B1,27]  177.5,214 0 bottom
TP112  TP  [B1,27]  175.75,214 0 bottom
TP113  TP  [B1,27]  190,207.5 0 bottom
TP114  TP  [P1-06-OCT-CAN]  166.6,209.2 0 bottom
U1  ZX62-B-5PA(33)  [USB-AB-MICRO-SMD_LWK]  82.4,90 274 bottom
U2  ZX62-B-5PA(33)  [USB-AB-MICRO-SMD_LWK]  214.4,90 274 bottom
U3  MIC-6MM  [MIC-SMD-6MM]  239.5,82 270 bottom
U4  MIC-6MM  [MIC-SMD-6MM]  107.5,82 270 bottom
U5  LDMS1540S-01-R8-0.8-R  [SPEAKER-15MM-SMD]  20.25,66.5 270 bottom
U6  LDMS1540S-01-R8-0.8-R  [SPEAKER-15MM-SMD]  152.25,66.5 270 bottom
U7  ZX62-B-5PA(33)  [USB-AB-MICRO-SMD_LWK]  82.4,180 274 bottom
U8  MIC-6MM  [MIC-SMD-6MM]  107.5,172 270 bottom
U9  LDMS1540S-01-R8-0.8-R  [SPEAKER-15MM-SMD]  20.25,156.5 270 bottom
U10  ZX62-B-5PA(33)  [USB-AB-MICRO-SMD_LWK]  214.4,180 274 bottom
U11  MIC-6MM  [MIC-SMD-6MM]  239.5,172 270 bottom
U12  LDMS1540S-01-R8-0.8-R  [SPEAKER-15MM-SMD]  152.25,156.5 270 bottom
U13  ZX62-B-5PA(33)  [USB-AB-MICRO-SMD_LWK]  82.4,270 274 bottom
U14  MIC-6MM  [MIC-SMD-6MM]  107.5,262 270 bottom
U15  LDMS1540S-01-R8-0.8-R  [SPEAKER-15MM-SMD]  20.25,246.5 270 bottom
U16  ZX62-B-5PA(33)  [USB-AB-MICRO-SMD_LWK]  214.4,270 274 bottom
U17  MIC-6MM  [MIC-SMD-6MM]  239.5,262 270 bottom
U18  LDMS1540S-01-R8-0.8-R  [SPEAKER-15MM-SMD]  152.25,246.5 270 bottom
U$1  LOGO-SEEEDSTUDIO-SILK  [LOGO_SILK]  194,88 0 bottom
U$2  LOGO-SEEEDSTUDIO-SILK  [LOGO_SILK]  62,178 0 bottom
U$3  LOGO-SEEEDSTUDIO-SILK  [LOGO_SILK]  194,178 0 bottom
U$4  LOGO-SEEEDSTUDIO-SILK  [LOGO_SILK]  62,268 0 bottom
U$5  LOGO-SEEEDSTUDIO-SILK  [LOGO_SILK]  62,88 0 bottom
U$6  LOGO-SEEEDSTUDIO-SILK  [LOGO_SILK]  194,268 0 bottom
X1  ABS07-32.768KHZ-T  [RESONATOR_EPSON_FC_145]  66.4,76.75 180 bottom
X2  ABM8G-25.000MHZ-B4Y-T  [CRYSTAL-3.2-2.5]  74.75,78.55 180 bottom
X3  ABS07-32.768KHZ-T  [RESONATOR_EPSON_FC_145]  38,34.75 90 bottom
X4  ABM8-40.000MHZ-10-1-U-T  [CRYSTAL-3.2-2.5]  20.8,31.25 270 bottom
X5  ABS07-32.768KHZ-T  [RESONATOR_EPSON_FC_145]  198.4,76.75 180 bottom
X6  ABM8G-25.000MHZ-B4Y-T  [CRYSTAL-3.2-2.5]  206.75,78.55 180 bottom
X7  ABS07-32.768KHZ-T  [RESONATOR_EPSON_FC_145]  170,34.75 90 bottom
X8  ABM8-40.000MHZ-10-1-U-T  [CRYSTAL-3.2-2.5]  152.8,31.25 270 bottom
X9  ABS07-32.768KHZ-T  [RESONATOR_EPSON_FC_145]  66.4,166.75 180 bottom
X10  ABM8G-25.000MHZ-B4Y-T  [CRYSTAL-3.2-2.5]  74.75,168.55 180 bottom
X11  ABS07-32.768KHZ-T  [RESONATOR_EPSON_FC_145]  38,124.75 90 bottom
X12  ABM8-40.000MHZ-10-1-U-T  [CRYSTAL-3.2-2.5]  20.8,121.25 270 bottom
X13  ABS07-32.768KHZ-T  [RESONATOR_EPSON_FC_145]  198.4,166.75 180 bottom
X14  ABM8G-25.000MHZ-B4Y-T  [CRYSTAL-3.2-2.5]  206.75,168.55 180 bottom
X15  ABS07-32.768KHZ-T  [RESONATOR_EPSON_FC_145]  170,124.75 90 bottom
X16  ABM8-40.000MHZ-10-1-U-T  [CRYSTAL-3.2-2.5]  152.8,121.25 270 bottom
X17  ABS07-32.768KHZ-T  [RESONATOR_EPSON_FC_145]  66.4,256.75 180 bottom
X18  ABM8G-25.000MHZ-B4Y-T  [CRYSTAL-3.2-2.5]  74.75,258.55 180 bottom
X19  ABS07-32.768KHZ-T  [RESONATOR_EPSON_FC_145]  38,214.75 90 bottom
X20  ABM8-40.000MHZ-10-1-U-T  [CRYSTAL-3.2-2.5]  20.8,211.25 270 bottom
X21  ABS07-32.768KHZ-T  [RESONATOR_EPSON_FC_145]  198.4,256.75 180 bottom
X22  ABM8G-25.000MHZ-B4Y-T  [CRYSTAL-3.2-2.5]  206.75,258.55 180 bottom
X23  ABS07-32.768KHZ-T  [RESONATOR_EPSON_FC_145]  170,214.75 90 bottom
X24  ABM8-40.000MHZ-10-1-U-T  [CRYSTAL-3.2-2.5]  152.8,211.25 270 bottom
